# Altium PCB SAMW25_Xplained_Pro.PcbDoc (part 2 of 9)
Units mm, origin at the board's own origin, x right, y up, seen from the top; angles counter-clockwise.
Board outline 60 x 60 mm, 4 copper layers (Top Layer LF-signals, GND, POWER, Bottom Layer LF-signals), stack 1.602 mm thick; 139 components, 107 nets, 540 pads, 303 vias.
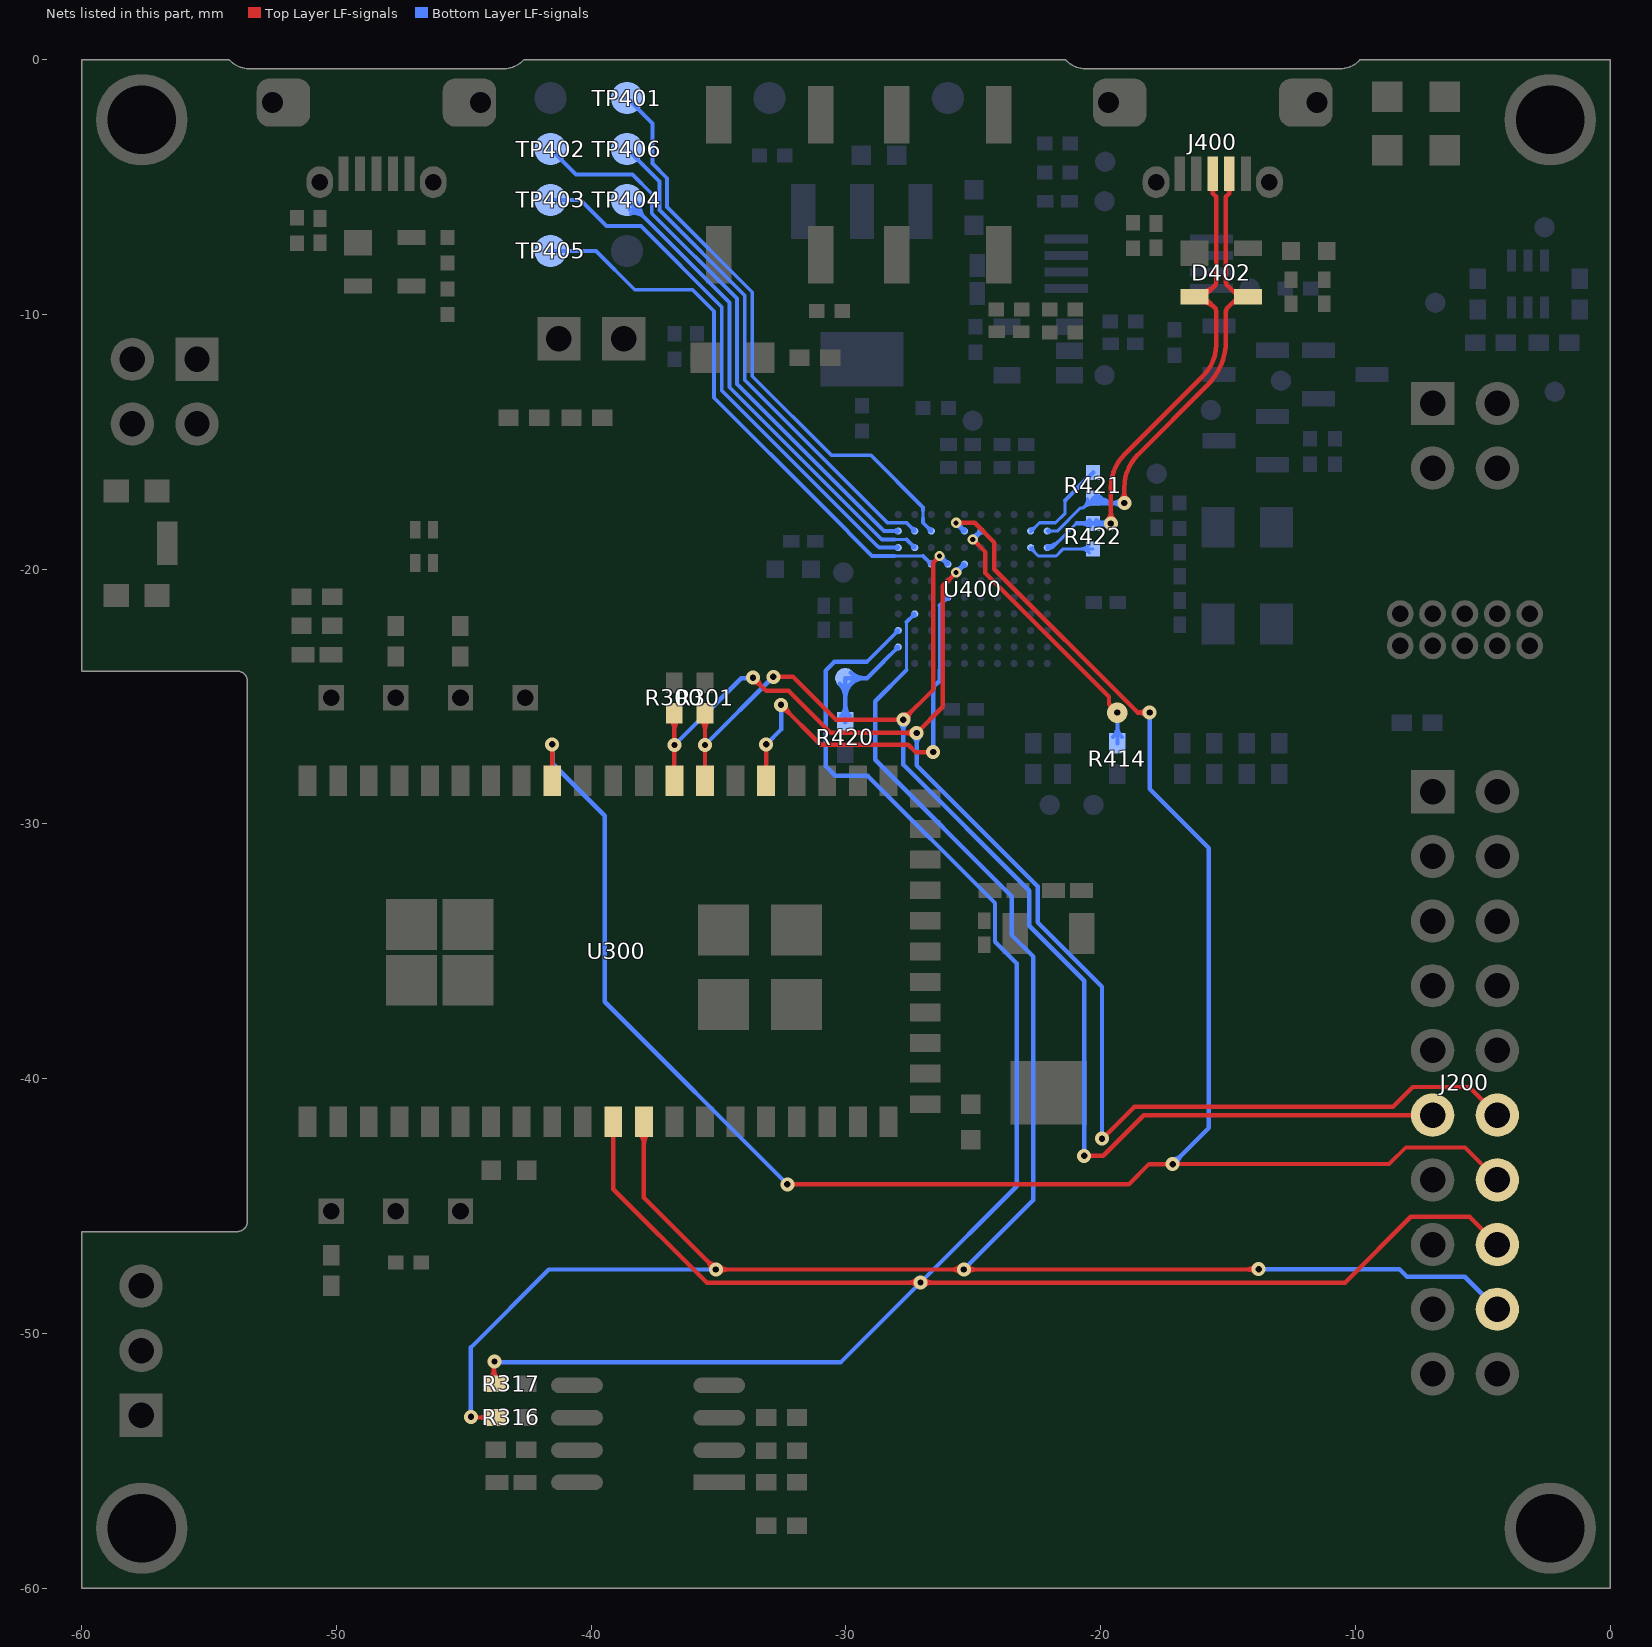
[diagram p4: the nets of this part, all layers, seen from the top]

## Via types
v1: diameter 0.55, hole 0.25, Top Layer LF-signals to Bottom Layer LF-signals, tented both sides, 213 vias
v2: diameter 0.55, hole 0.25, Top Layer LF-signals to Bottom Layer LF-signals, 46 vias
v3: diameter 0.55/0.8 (per signal layer), hole 0.25, Top Layer LF-signals to Bottom Layer LF-signals, tented top, 18 vias
v4: diameter 0.4, hole 0.2, Top Layer LF-signals to Bottom Layer LF-signals, 15 vias
v5: diameter 0.55, hole 0.25, Top Layer LF-signals to Bottom Layer LF-signals, tented top, 8 vias
v6: diameter 0.6, hole 0.3, Top Layer LF-signals to Bottom Layer LF-signals, tented both sides, 3 vias

## Nets (pads, with @x,y where several pads share a name; then routed paths per layer and width w, separated by ;. In a path a pad name is that pad's centre, name@x,y a point inside that pad or via, vN(x,y) a via of type N, cw(c..) or ccw(c..) an arc to the next point about the centre after c; other vN are vias at no path point) (continued)
EDBG_CDC_USART_RX: J200.14@-4.43,-43.97 U300.43 U400.F9 | length 95.5
  Top Layer LF-signals w0.15: v1(-17.175,-43.352) -8.677,-43.352 -8.025,-42.7 -5.7,-42.7 J200.14@-4.43,-43.97
  Top Layer LF-signals w0.175: U300.43@-41.535,-28.296 v1(-41.535,-26.875) ; v1(-32.3,-44.15) -18.9,-44.15 -18.102,-43.352 v1(-17.175,-43.352) ; v4(-25.675,-18.175) -24.95,-18.175 -24.175,-18.95 -24.175,-20 -18.55,-25.625 v1(-18.075,-25.625) ; -18.528,-25.625 cw(c-18.528,-26.078) v1@-18.208,-25.758 ; -18.528,-25.625 ccw(c-18.528,-25.172) v1@-18.208,-25.492 ; -18.528,-25.625 ccw(c-18.528,-25.172) v1@-18.208,-25.492 ; -18.528,-25.625 cw(c-18.528,-26.078) v1@-18.208,-25.758 ; -18.528,-25.625 ccw(c-18.528,-25.172) v1@-18.208,-25.492 ; -18.528,-25.625 cw(c-18.528,-26.078) v1@-18.208,-25.758
  Bottom Layer LF-signals w0.15: v4(-25.675,-18.175) U400.F9@-25.35,-18.5 ; v4@-25.672,-18.3 cw(c-25.665,-18.654) U400.F9@-25.414,-18.404 ; v4@-25.57,-18.312 cw(c-25.738,-18.604) U400.F9@-25.413,-18.517 ; v4@-25.538,-18.28 ccw(c-25.246,-18.112) U400.F9@-25.333,-18.437 ; -25.516,-18.366 ccw(c-25.675,-18.524) v4@-25.675,-18.3 ; -25.484,-18.334 cw(c-25.326,-18.175) v4@-25.55,-18.175 ; U400.F9@-25.446,-18.436 cw(c-25.196,-18.185) v4@-25.55,-18.178 ; v4@-25.675,-18.3 cw(c-25.675,-18.511) -25.526,-18.362 ; v4@-25.675,-18.3 cw(c-25.675,-18.511) -25.526,-18.362 ; v4@-25.675,-18.3 cw(c-25.675,-18.602) -25.462,-18.388 ; v4@-25.675,-18.3 cw(c-25.675,-18.511) -25.526,-18.362 ; v4@-25.675,-18.3 cw(c-25.675,-18.602) -25.462,-18.388 ; v4@-25.675,-18.3 cw(c-25.675,-18.602) -25.462,-18.388 ; v4@-25.675,-18.3 cw(c-25.675,-18.511) -25.526,-18.362 ; v4@-25.672,-18.3 cw(c-25.665,-18.668) U400.F9@-25.405,-18.408 ; v4@-25.672,-18.3 cw(c-25.665,-18.668) U400.F9@-25.405,-18.408 ; v4@-25.672,-18.3 cw(c-25.665,-18.668) U400.F9@-25.405,-18.408 ; v4@-25.672,-18.3 cw(c-25.665,-18.668) U400.F9@-25.405,-18.408 ; -25.551,-18.337 cw(c-25.699,-18.594) U400.F9@-25.413,-18.517 ; -25.551,-18.337 cw(c-25.699,-18.594) U400.F9@-25.413,-18.517 ; -25.551,-18.337 cw(c-25.699,-18.594) U400.F9@-25.413,-18.517 ; v4@-25.55,-18.178 ccw(c-25.182,-18.185) U400.F9@-25.442,-18.445 ; v4@-25.55,-18.178 ccw(c-25.182,-18.185) U400.F9@-25.442,-18.445 ; v4@-25.55,-18.178 ccw(c-25.182,-18.185) U400.F9@-25.442,-18.445 ; v4@-25.55,-18.178 ccw(c-25.182,-18.185) U400.F9@-25.442,-18.445 ; v4@-25.55,-18.175 ccw(c-25.339,-18.175) -25.488,-18.324 ; v4@-25.55,-18.175 ccw(c-25.339,-18.175) -25.488,-18.324 ; v4@-25.55,-18.175 ccw(c-25.248,-18.175) -25.462,-18.388 ; v4@-25.55,-18.175 ccw(c-25.339,-18.175) -25.488,-18.324 ; v4@-25.55,-18.175 ccw(c-25.248,-18.175) -25.462,-18.388 ; v4@-25.55,-18.175 ccw(c-25.248,-18.175) -25.462,-18.388 ; v4@-25.55,-18.175 ccw(c-25.339,-18.175) -25.488,-18.324 ; -25.513,-18.299 ccw(c-25.256,-18.151) U400.F9@-25.333,-18.437 ; -25.513,-18.299 ccw(c-25.256,-18.151) U400.F9@-25.333,-18.437 ; -25.513,-18.299 ccw(c-25.256,-18.151) U400.F9@-25.333,-18.437 ; -25.461,-18.389 cw(c-25.572,-18.5) U400.F9@-25.415,-18.5 ; -25.461,-18.389 ccw(c-25.35,-18.278) U400.F9@-25.35,-18.435 ; -25.461,-18.389 ccw(c-25.35,-18.278) U400.F9@-25.35,-18.435 ; -25.461,-18.389 cw(c-25.572,-18.5) U400.F9@-25.415,-18.5 ; -25.461,-18.389 ccw(c-25.35,-18.278) U400.F9@-25.35,-18.435 ; -25.461,-18.389 cw(c-25.572,-18.5) U400.F9@-25.415,-18.5
  Bottom Layer LF-signals w0.175: v1(-41.535,-26.875) -41.535,-27.615 -39.475,-29.675 -39.475,-36.975 v1(-32.3,-44.15) ; v1(-18.075,-25.625) -18.075,-28.625 -15.75,-30.95 -15.75,-41.927 v1(-17.175,-43.352) ; v1@-17.175,-43.165 ccw(c-17.175,-42.712) -16.855,-43.032 ; v1@-17.175,-43.165 ccw(c-17.175,-42.712) -16.855,-43.032 ; v1@-17.175,-43.165 ccw(c-17.175,-42.712) -16.855,-43.032 ; v1@-16.988,-43.352 cw(c-16.535,-43.352) -16.855,-43.032 ; v1@-16.988,-43.352 cw(c-16.535,-43.352) -16.855,-43.032 ; v1@-16.988,-43.352 cw(c-16.535,-43.352) -16.855,-43.032
EDBG_CDC_USART_TX: R414.2 U400.E9 | length 26.8
  Top Layer LF-signals w0.175: v4(-25.025,-18.825) -24.525,-19.325 -24.525,-20.154 -19.675,-25.004 -19.675,-25.295 v3(-19.345,-25.625) ; -19.665,-25.305 cw(c-19.985,-25.625) v3@-19.532,-25.625 ; -19.665,-25.305 ccw(c-19.345,-24.985) v3@-19.345,-25.438 ; -19.665,-25.305 ccw(c-19.345,-24.985) v3@-19.345,-25.438 ; -19.665,-25.305 cw(c-19.985,-25.625) v3@-19.532,-25.625 ; -19.665,-25.305 ccw(c-19.345,-24.985) v3@-19.345,-25.438 ; -19.665,-25.305 cw(c-19.985,-25.625) v3@-19.532,-25.625 ; v3@-19.601,-25.369 ccw(c-19.275,-25.282) v3@-19.342,-25.613 ; v3@-19.601,-25.369 ccw(c-19.275,-25.282) v3@-19.342,-25.613 ; v3@-19.601,-25.369 ccw(c-19.275,-25.282) v3@-19.342,-25.613 ; v3@-19.601,-25.369 cw(c-19.688,-25.695) v3@-19.357,-25.628 ; v3@-19.601,-25.369 cw(c-19.688,-25.695) v3@-19.357,-25.628 ; v3@-19.601,-25.369 cw(c-19.688,-25.695) v3@-19.357,-25.628
  Bottom Layer LF-signals w0.15: v4(-25.025,-18.825) U400.E9@-24.7,-18.5 ; v4@-24.92,-18.688 ccw(c-25.088,-18.396) U400.E9@-24.763,-18.483 ; v4@-24.888,-18.72 cw(c-24.596,-18.888) U400.E9@-24.683,-18.563 ; -24.866,-18.634 cw(c-25.025,-18.476) v4@-25.025,-18.7 ; -24.834,-18.666 ccw(c-24.676,-18.825) v4@-24.9,-18.825 ; U400.E9@-24.796,-18.564 ccw(c-24.546,-18.815) v4@-24.9,-18.822 ; U400.E9@-24.764,-18.596 cw(c-25.015,-18.346) v4@-25.022,-18.7 ; R414.2@-19.345,-26.835 v3(-19.345,-25.625) ; v4@-25.025,-18.7 ccw(c-25.025,-18.489) -24.876,-18.638 ; v4@-25.025,-18.7 ccw(c-25.025,-18.489) -24.876,-18.638 ; v4@-25.025,-18.7 ccw(c-25.025,-18.398) -24.812,-18.612 ; v4@-25.025,-18.7 ccw(c-25.025,-18.489) -24.876,-18.638 ; v4@-25.025,-18.7 ccw(c-25.025,-18.398) -24.812,-18.612 ; v4@-25.025,-18.7 ccw(c-25.025,-18.398) -24.812,-18.612 ; v4@-25.025,-18.7 ccw(c-25.025,-18.489) -24.876,-18.638 ; v4@-25.022,-18.7 ccw(c-25.015,-18.332) U400.E9@-24.755,-18.592 ; v4@-25.022,-18.7 ccw(c-25.015,-18.332) U400.E9@-24.755,-18.592 ; v4@-25.022,-18.7 ccw(c-25.015,-18.332) U400.E9@-24.755,-18.592 ; v4@-25.022,-18.7 ccw(c-25.015,-18.332) U400.E9@-24.755,-18.592 ; -24.901,-18.663 ccw(c-25.049,-18.406) U400.E9@-24.763,-18.483 ; -24.901,-18.663 ccw(c-25.049,-18.406) U400.E9@-24.763,-18.483 ; -24.901,-18.663 ccw(c-25.049,-18.406) U400.E9@-24.763,-18.483 ; v4@-24.9,-18.825 cw(c-24.598,-18.825) -24.812,-18.612 ; v4@-24.9,-18.825 cw(c-24.689,-18.825) -24.838,-18.676 ; v4@-24.9,-18.825 cw(c-24.689,-18.825) -24.838,-18.676 ; v4@-24.9,-18.825 cw(c-24.689,-18.825) -24.838,-18.676 ; v4@-24.9,-18.825 cw(c-24.598,-18.825) -24.812,-18.612 ; v4@-24.9,-18.825 cw(c-24.689,-18.825) -24.838,-18.676 ; v4@-24.9,-18.825 cw(c-24.598,-18.825) -24.812,-18.612 ; v4@-24.9,-18.822 cw(c-24.532,-18.815) U400.E9@-24.792,-18.555 ; v4@-24.9,-18.822 cw(c-24.532,-18.815) U400.E9@-24.792,-18.555 ; v4@-24.9,-18.822 cw(c-24.532,-18.815) U400.E9@-24.792,-18.555 ; v4@-24.9,-18.822 cw(c-24.532,-18.815) U400.E9@-24.792,-18.555 ; -24.863,-18.701 cw(c-24.606,-18.849) U400.E9@-24.683,-18.563 ; -24.863,-18.701 cw(c-24.606,-18.849) U400.E9@-24.683,-18.563 ; -24.863,-18.701 cw(c-24.606,-18.849) U400.E9@-24.683,-18.563 ; -24.811,-18.611 cw(c-24.7,-18.722) U400.E9@-24.7,-18.565 ; -24.811,-18.611 ccw(c-24.922,-18.5) U400.E9@-24.765,-18.5 ; -24.811,-18.611 ccw(c-24.922,-18.5) U400.E9@-24.765,-18.5 ; -24.811,-18.611 cw(c-24.7,-18.722) U400.E9@-24.7,-18.565 ; -24.811,-18.611 ccw(c-24.922,-18.5) U400.E9@-24.765,-18.5 ; -24.811,-18.611 cw(c-24.7,-18.722) U400.E9@-24.7,-18.565 ; R414.2@-19.522,-26.583 ccw(c-19.949,-26.156) -19.345,-26.156 ; R414.2@-19.522,-26.583 ccw(c-19.949,-26.156) -19.345,-26.156 ; R414.2@-19.522,-26.583 ccw(c-19.949,-26.156) -19.345,-26.156 ; -19.345,-26.156 ccw(c-18.741,-26.156) R414.2@-19.168,-26.583 ; -19.345,-26.156 ccw(c-18.741,-26.156) R414.2@-19.168,-26.583 ; -19.345,-26.156 ccw(c-18.741,-26.156) R414.2@-19.168,-26.583
EDBG_DGI_SCL: J200.12@-4.43,-41.43 R300.2 U300.39 U400.F7 | length 77.4
  Top Layer LF-signals w0.175: U300.39@-36.735,-28.296 v1(-36.735,-26.9) R300.2@-36.735,-25.65 ; v1(-33.652,-24.251) -33.128,-24.775 -32.25,-24.775 -30.6,-26.425 v1(-27.225,-26.425) -26.2,-25.4 -26.2,-20.65 v4(-25.675,-20.125) ; v1(-19.95,-42.35) -19.95,-42.375 -18.675,-41.1 -8.525,-41.1 -7.75,-40.325 -5.535,-40.325 J200.12@-4.43,-41.43 ; R300.2@-36.903,-25.893 cw(c-37.308,-26.298) -36.735,-26.298 ; R300.2@-36.903,-25.893 cw(c-37.308,-26.298) -36.735,-26.298 ; R300.2@-36.903,-25.893 cw(c-37.308,-26.298) -36.735,-26.298 ; -36.735,-26.298 cw(c-36.162,-26.298) R300.2@-36.567,-25.893 ; -36.735,-26.298 cw(c-36.162,-26.298) R300.2@-36.567,-25.893 ; -36.735,-26.298 cw(c-36.162,-26.298) R300.2@-36.567,-25.893 ; v1@-33.654,-24.263 cw(c-33.722,-24.594) -33.396,-24.507 ; v1@-33.654,-24.263 cw(c-33.722,-24.594) -33.396,-24.507 ; v1@-33.654,-24.263 cw(c-33.722,-24.594) -33.396,-24.507 ; v1@-33.652,-24.439 cw(c-33.652,-24.891) -33.332,-24.571 ; v1@-33.652,-24.439 cw(c-33.652,-24.891) -33.332,-24.571 ; v1@-33.652,-24.439 cw(c-33.652,-24.891) -33.332,-24.571 ; v1@-33.639,-24.249 ccw(c-33.308,-24.181) -33.396,-24.507 ; v1@-33.639,-24.249 ccw(c-33.308,-24.181) -33.396,-24.507 ; v1@-33.639,-24.249 ccw(c-33.308,-24.181) -33.396,-24.507 ; v1@-33.464,-24.251 ccw(c-33.011,-24.251) -33.332,-24.571 ; v1@-33.464,-24.251 ccw(c-33.011,-24.251) -33.332,-24.571 ; v1@-33.464,-24.251 ccw(c-33.011,-24.251) -33.332,-24.571 ; -27.678,-26.425 cw(c-27.678,-26.878) v1@-27.358,-26.558 ; -27.678,-26.425 ccw(c-27.678,-25.972) v1@-27.358,-26.292 ; -27.678,-26.425 ccw(c-27.678,-25.972) v1@-27.358,-26.292 ; -27.678,-26.425 cw(c-27.678,-26.878) v1@-27.358,-26.558 ; -27.678,-26.425 ccw(c-27.678,-25.972) v1@-27.358,-26.292 ; -27.678,-26.425 cw(c-27.678,-26.878) v1@-27.358,-26.558
  Bottom Layer LF-signals w0.15: v4(-25.675,-20.125) U400.F7@-25.35,-19.8 ; v4@-25.672,-20 ccw(c-25.665,-19.646) U400.F7@-25.414,-19.896 ; v4@-25.57,-19.988 ccw(c-25.738,-19.696) U400.F7@-25.413,-19.783 ; v4@-25.538,-20.02 cw(c-25.246,-20.188) U400.F7@-25.333,-19.863 ; -25.516,-19.934 cw(c-25.675,-19.776) v4@-25.675,-20 ; -25.484,-19.966 ccw(c-25.326,-20.125) v4@-25.55,-20.125 ; U400.F7@-25.446,-19.864 ccw(c-25.196,-20.115) v4@-25.55,-20.122 ; v4@-25.675,-20 ccw(c-25.675,-19.789) -25.526,-19.938 ; v4@-25.675,-20 ccw(c-25.675,-19.789) -25.526,-19.938 ; v4@-25.675,-20 ccw(c-25.675,-19.698) -25.462,-19.912 ; v4@-25.675,-20 ccw(c-25.675,-19.789) -25.526,-19.938 ; v4@-25.675,-20 ccw(c-25.675,-19.698) -25.462,-19.912 ; v4@-25.675,-20 ccw(c-25.675,-19.698) -25.462,-19.912 ; v4@-25.675,-20 ccw(c-25.675,-19.789) -25.526,-19.938 ; v4@-25.672,-20 ccw(c-25.665,-19.632) U400.F7@-25.405,-19.892 ; v4@-25.672,-20 ccw(c-25.665,-19.632) U400.F7@-25.405,-19.892 ; v4@-25.672,-20 ccw(c-25.665,-19.632) U400.F7@-25.405,-19.892 ; v4@-25.672,-20 ccw(c-25.665,-19.632) U400.F7@-25.405,-19.892 ; -25.551,-19.963 ccw(c-25.699,-19.706) U400.F7@-25.413,-19.783 ; -25.551,-19.963 ccw(c-25.699,-19.706) U400.F7@-25.413,-19.783 ; -25.551,-19.963 ccw(c-25.699,-19.706) U400.F7@-25.413,-19.783 ; v4@-25.55,-20.125 cw(c-25.339,-20.125) -25.488,-19.976 ; v4@-25.55,-20.125 cw(c-25.339,-20.125) -25.488,-19.976 ; v4@-25.55,-20.125 cw(c-25.248,-20.125) -25.462,-19.912 ; v4@-25.55,-20.125 cw(c-25.339,-20.125) -25.488,-19.976 ; v4@-25.55,-20.125 cw(c-25.248,-20.125) -25.462,-19.912 ; v4@-25.55,-20.125 cw(c-25.248,-20.125) -25.462,-19.912 ; v4@-25.55,-20.125 cw(c-25.339,-20.125) -25.488,-19.976 ; v4@-25.55,-20.122 cw(c-25.182,-20.115) U400.F7@-25.442,-19.855 ; v4@-25.55,-20.122 cw(c-25.182,-20.115) U400.F7@-25.442,-19.855 ; v4@-25.55,-20.122 cw(c-25.182,-20.115) U400.F7@-25.442,-19.855 ; v4@-25.55,-20.122 cw(c-25.182,-20.115) U400.F7@-25.442,-19.855 ; -25.513,-20.001 cw(c-25.256,-20.149) U400.F7@-25.333,-19.863 ; -25.513,-20.001 cw(c-25.256,-20.149) U400.F7@-25.333,-19.863 ; -25.513,-20.001 cw(c-25.256,-20.149) U400.F7@-25.333,-19.863 ; -25.461,-19.911 cw(c-25.35,-20.022) U400.F7@-25.35,-19.865 ; -25.461,-19.911 ccw(c-25.572,-19.8) U400.F7@-25.415,-19.8 ; -25.461,-19.911 ccw(c-25.572,-19.8) U400.F7@-25.415,-19.8 ; -25.461,-19.911 cw(c-25.35,-20.022) U400.F7@-25.35,-19.865 ; -25.461,-19.911 ccw(c-25.572,-19.8) U400.F7@-25.415,-19.8 ; -25.461,-19.911 cw(c-25.35,-20.022) U400.F7@-25.35,-19.865
  Bottom Layer LF-signals w0.175: v1(-36.735,-26.9) -34.11,-24.275 -33.675,-24.275 v1(-33.652,-24.251) ; v1(-27.225,-26.425) -27.225,-27.702 -22.475,-32.452 -22.475,-33.865 -19.95,-36.39 v1(-19.95,-42.35) ; v1@-27.358,-26.558 cw(c-27.678,-26.878) -27.225,-26.878 ; v1@-27.358,-26.558 cw(c-27.678,-26.878) -27.225,-26.878 ; v1@-27.358,-26.558 cw(c-27.678,-26.878) -27.225,-26.878 ; -27.225,-26.878 cw(c-26.772,-26.878) v1@-27.092,-26.558 ; -27.225,-26.878 cw(c-26.772,-26.878) v1@-27.092,-26.558 ; -27.225,-26.878 cw(c-26.772,-26.878) v1@-27.092,-26.558
EDBG_DGI_SDA: J200.11@-6.97,-41.43 R301.2 U300.38 U400.G7 | length 72
  Top Layer LF-signals w0.175: U300.38@-35.535,-28.296 v1(-35.535,-26.9) R301.2@-35.535,-25.65 ; v1(-32.855,-24.22) -32.08,-24.22 -30.4,-25.9 v1(-27.75,-25.9) -26.569,-24.719 -26.569,-19.719 v4(-26.325,-19.475) ; v1(-20.65,-43.025) -19.9,-43.025 -18.305,-41.43 J200.11@-6.97,-41.43 ; R301.2@-35.703,-25.893 cw(c-36.108,-26.298) -35.535,-26.298 ; R301.2@-35.703,-25.893 cw(c-36.108,-26.298) -35.535,-26.298 ; R301.2@-35.703,-25.893 cw(c-36.108,-26.298) -35.535,-26.298 ; -35.535,-26.298 cw(c-34.962,-26.298) R301.2@-35.367,-25.893 ; -35.535,-26.298 cw(c-34.962,-26.298) R301.2@-35.367,-25.893 ; -35.535,-26.298 cw(c-34.962,-26.298) R301.2@-35.367,-25.893 ; v1@-27.753,-25.888 ccw(c-27.82,-25.557) -27.494,-25.644 ; v1@-27.753,-25.888 ccw(c-27.82,-25.557) -27.494,-25.644 ; v1@-27.753,-25.888 ccw(c-27.82,-25.557) -27.494,-25.644 ; v1@-27.75,-25.713 ccw(c-27.75,-25.26) -27.43,-25.58 ; v1@-27.75,-25.713 ccw(c-27.75,-25.26) -27.43,-25.58 ; v1@-27.75,-25.713 ccw(c-27.75,-25.26) -27.43,-25.58 ; v1@-27.738,-25.903 cw(c-27.407,-25.97) -27.494,-25.644 ; v1@-27.738,-25.903 cw(c-27.407,-25.97) -27.494,-25.644 ; v1@-27.738,-25.903 cw(c-27.407,-25.97) -27.494,-25.644 ; v1@-27.563,-25.9 cw(c-27.11,-25.9) -27.43,-25.58 ; v1@-27.563,-25.9 cw(c-27.11,-25.9) -27.43,-25.58 ; v1@-27.563,-25.9 cw(c-27.11,-25.9) -27.43,-25.58
  Bottom Layer LF-signals w0.15: v4(-26.325,-19.475) U400.G7@-26,-19.8 ; v4@-26.22,-19.612 cw(c-26.388,-19.904) U400.G7@-26.063,-19.817 ; v4@-26.188,-19.58 ccw(c-25.896,-19.412) U400.G7@-25.983,-19.737 ; -26.166,-19.666 ccw(c-26.325,-19.824) v4@-26.325,-19.6 ; -26.134,-19.634 cw(c-25.976,-19.475) v4@-26.2,-19.475 ; U400.G7@-26.096,-19.736 cw(c-25.846,-19.485) v4@-26.2,-19.478 ; U400.G7@-26.064,-19.704 ccw(c-26.315,-19.954) v4@-26.322,-19.6 ; v4@-26.325,-19.6 cw(c-26.325,-19.811) -26.176,-19.662 ; v4@-26.325,-19.6 cw(c-26.325,-19.811) -26.176,-19.662 ; v4@-26.325,-19.6 cw(c-26.325,-19.902) -26.112,-19.688 ; v4@-26.325,-19.6 cw(c-26.325,-19.811) -26.176,-19.662 ; v4@-26.325,-19.6 cw(c-26.325,-19.902) -26.112,-19.688 ; v4@-26.325,-19.6 cw(c-26.325,-19.902) -26.112,-19.688 ; v4@-26.325,-19.6 cw(c-26.325,-19.811) -26.176,-19.662 ; v4@-26.322,-19.6 cw(c-26.315,-19.968) U400.G7@-26.055,-19.708 ; v4@-26.322,-19.6 cw(c-26.315,-19.968) U400.G7@-26.055,-19.708 ; v4@-26.322,-19.6 cw(c-26.315,-19.968) U400.G7@-26.055,-19.708 ; v4@-26.322,-19.6 cw(c-26.315,-19.968) U400.G7@-26.055,-19.708 ; -26.201,-19.637 cw(c-26.349,-19.894) U400.G7@-26.063,-19.817 ; -26.201,-19.637 cw(c-26.349,-19.894) U400.G7@-26.063,-19.817 ; -26.201,-19.637 cw(c-26.349,-19.894) U400.G7@-26.063,-19.817 ; v4@-26.2,-19.478 ccw(c-25.832,-19.485) U400.G7@-26.092,-19.745 ; v4@-26.2,-19.478 ccw(c-25.832,-19.485) U400.G7@-26.092,-19.745 ; v4@-26.2,-19.478 ccw(c-25.832,-19.485) U400.G7@-26.092,-19.745 ; v4@-26.2,-19.478 ccw(c-25.832,-19.485) U400.G7@-26.092,-19.745 ; v4@-26.2,-19.475 ccw(c-25.989,-19.475) -26.138,-19.624 ; v4@-26.2,-19.475 ccw(c-25.989,-19.475) -26.138,-19.624 ; v4@-26.2,-19.475 ccw(c-25.898,-19.475) -26.112,-19.688 ; v4@-26.2,-19.475 ccw(c-25.989,-19.475) -26.138,-19.624 ; v4@-26.2,-19.475 ccw(c-25.898,-19.475) -26.112,-19.688 ; v4@-26.2,-19.475 ccw(c-25.898,-19.475) -26.112,-19.688 ; v4@-26.2,-19.475 ccw(c-25.989,-19.475) -26.138,-19.624 ; -26.163,-19.599 ccw(c-25.906,-19.451) U400.G7@-25.983,-19.737 ; -26.163,-19.599 ccw(c-25.906,-19.451) U400.G7@-25.983,-19.737 ; -26.163,-19.599 ccw(c-25.906,-19.451) U400.G7@-25.983,-19.737 ; -26.111,-19.689 cw(c-26.222,-19.8) U400.G7@-26.065,-19.8 ; -26.111,-19.689 ccw(c-26,-19.578) U400.G7@-26,-19.735 ; -26.111,-19.689 ccw(c-26,-19.578) U400.G7@-26,-19.735 ; -26.111,-19.689 cw(c-26.222,-19.8) U400.G7@-26.065,-19.8 ; -26.111,-19.689 ccw(c-26,-19.578) U400.G7@-26,-19.735 ; -26.111,-19.689 cw(c-26.222,-19.8) U400.G7@-26.065,-19.8
  Bottom Layer LF-signals w0.175: v1(-35.535,-26.9) v1(-32.855,-24.22) ; v1(-27.75,-25.9) -27.75,-27.665 -22.8,-32.615 -22.8,-34 -20.65,-36.15 v1(-20.65,-43.025) ; v1@-27.883,-26.033 cw(c-28.203,-26.353) -27.75,-26.353 ; v1@-27.883,-26.033 cw(c-28.203,-26.353) -27.75,-26.353 ; v1@-27.883,-26.033 cw(c-28.203,-26.353) -27.75,-26.353 ; -27.75,-26.353 cw(c-27.297,-26.353) v1@-27.617,-26.033 ; -27.75,-26.353 cw(c-27.297,-26.353) v1@-27.617,-26.033 ; -27.75,-26.353 cw(c-27.297,-26.353) v1@-27.617,-26.033
EDBG_FORCE_BOOT: TP401.1 U400.H9 | length 23.6
  Bottom Layer LF-signals w0.125: -26.975,-17.997 -26.975,-17.703
  Bottom Layer LF-signals w0.15: TP401.1@-38.6,-1.5 -37.6,-2.5 -37.6,-4.075 -37.025,-4.65 -37.025,-5.775 -33.678,-9.122 -33.678,-12.422 -30.575,-15.525 -29.025,-15.525 -26.975,-17.575 -26.975,-17.703 ; -26.975,-17.997 -26.975,-18.175 U400.H9@-26.65,-18.5 ; -26.761,-18.389 cw(c-26.872,-18.5) U400.H9@-26.715,-18.5 ; -26.761,-18.389 ccw(c-26.65,-18.278) U400.H9@-26.65,-18.435 ; -26.761,-18.389 ccw(c-26.65,-18.278) U400.H9@-26.65,-18.435 ; -26.761,-18.389 cw(c-26.872,-18.5) U400.H9@-26.715,-18.5 ; -26.761,-18.389 ccw(c-26.65,-18.278) U400.H9@-26.65,-18.435 ; -26.761,-18.389 cw(c-26.872,-18.5) U400.H9@-26.715,-18.5
EDBG_JTAG_TCK: TP402.1 U400.K9 | length 23
  Bottom Layer LF-signals w0.15: TP402.1@-41.6,-3.5 -40.6,-4.5 -38.384,-4.5 -37.625,-5.259 -37.625,-6.025 -34.278,-9.372 -34.278,-12.728 -28.506,-18.5 U400.K9@-27.95,-18.5 ; -28.107,-18.5 cw(c-28.107,-18.657) U400.K9@-27.996,-18.546 ; -28.107,-18.5 ccw(c-28.107,-18.343) U400.K9@-27.996,-18.454 ; -28.107,-18.5 ccw(c-28.107,-18.343) U400.K9@-27.996,-18.454 ; -28.107,-18.5 cw(c-28.107,-18.657) U400.K9@-27.996,-18.546 ; -28.107,-18.5 ccw(c-28.107,-18.343) U400.K9@-27.996,-18.454 ; -28.107,-18.5 cw(c-28.107,-18.657) U400.K9@-27.996,-18.546